# Altium PCB as_x31.PcbDoc (part 4 of 4)
Units mm, origin at the board's own origin, x right, y up, seen from the top; angles counter-clockwise.
Board outline 130 x 100 mm, 6 copper layers (Top Layer, Ground_1, int_1, int_2, Power, Bottom Layer), stack 1.49 mm thick; 411 components, 383 nets, 2547 pads, 1038 vias.
Unrouted connection lines stored in the file: 439.
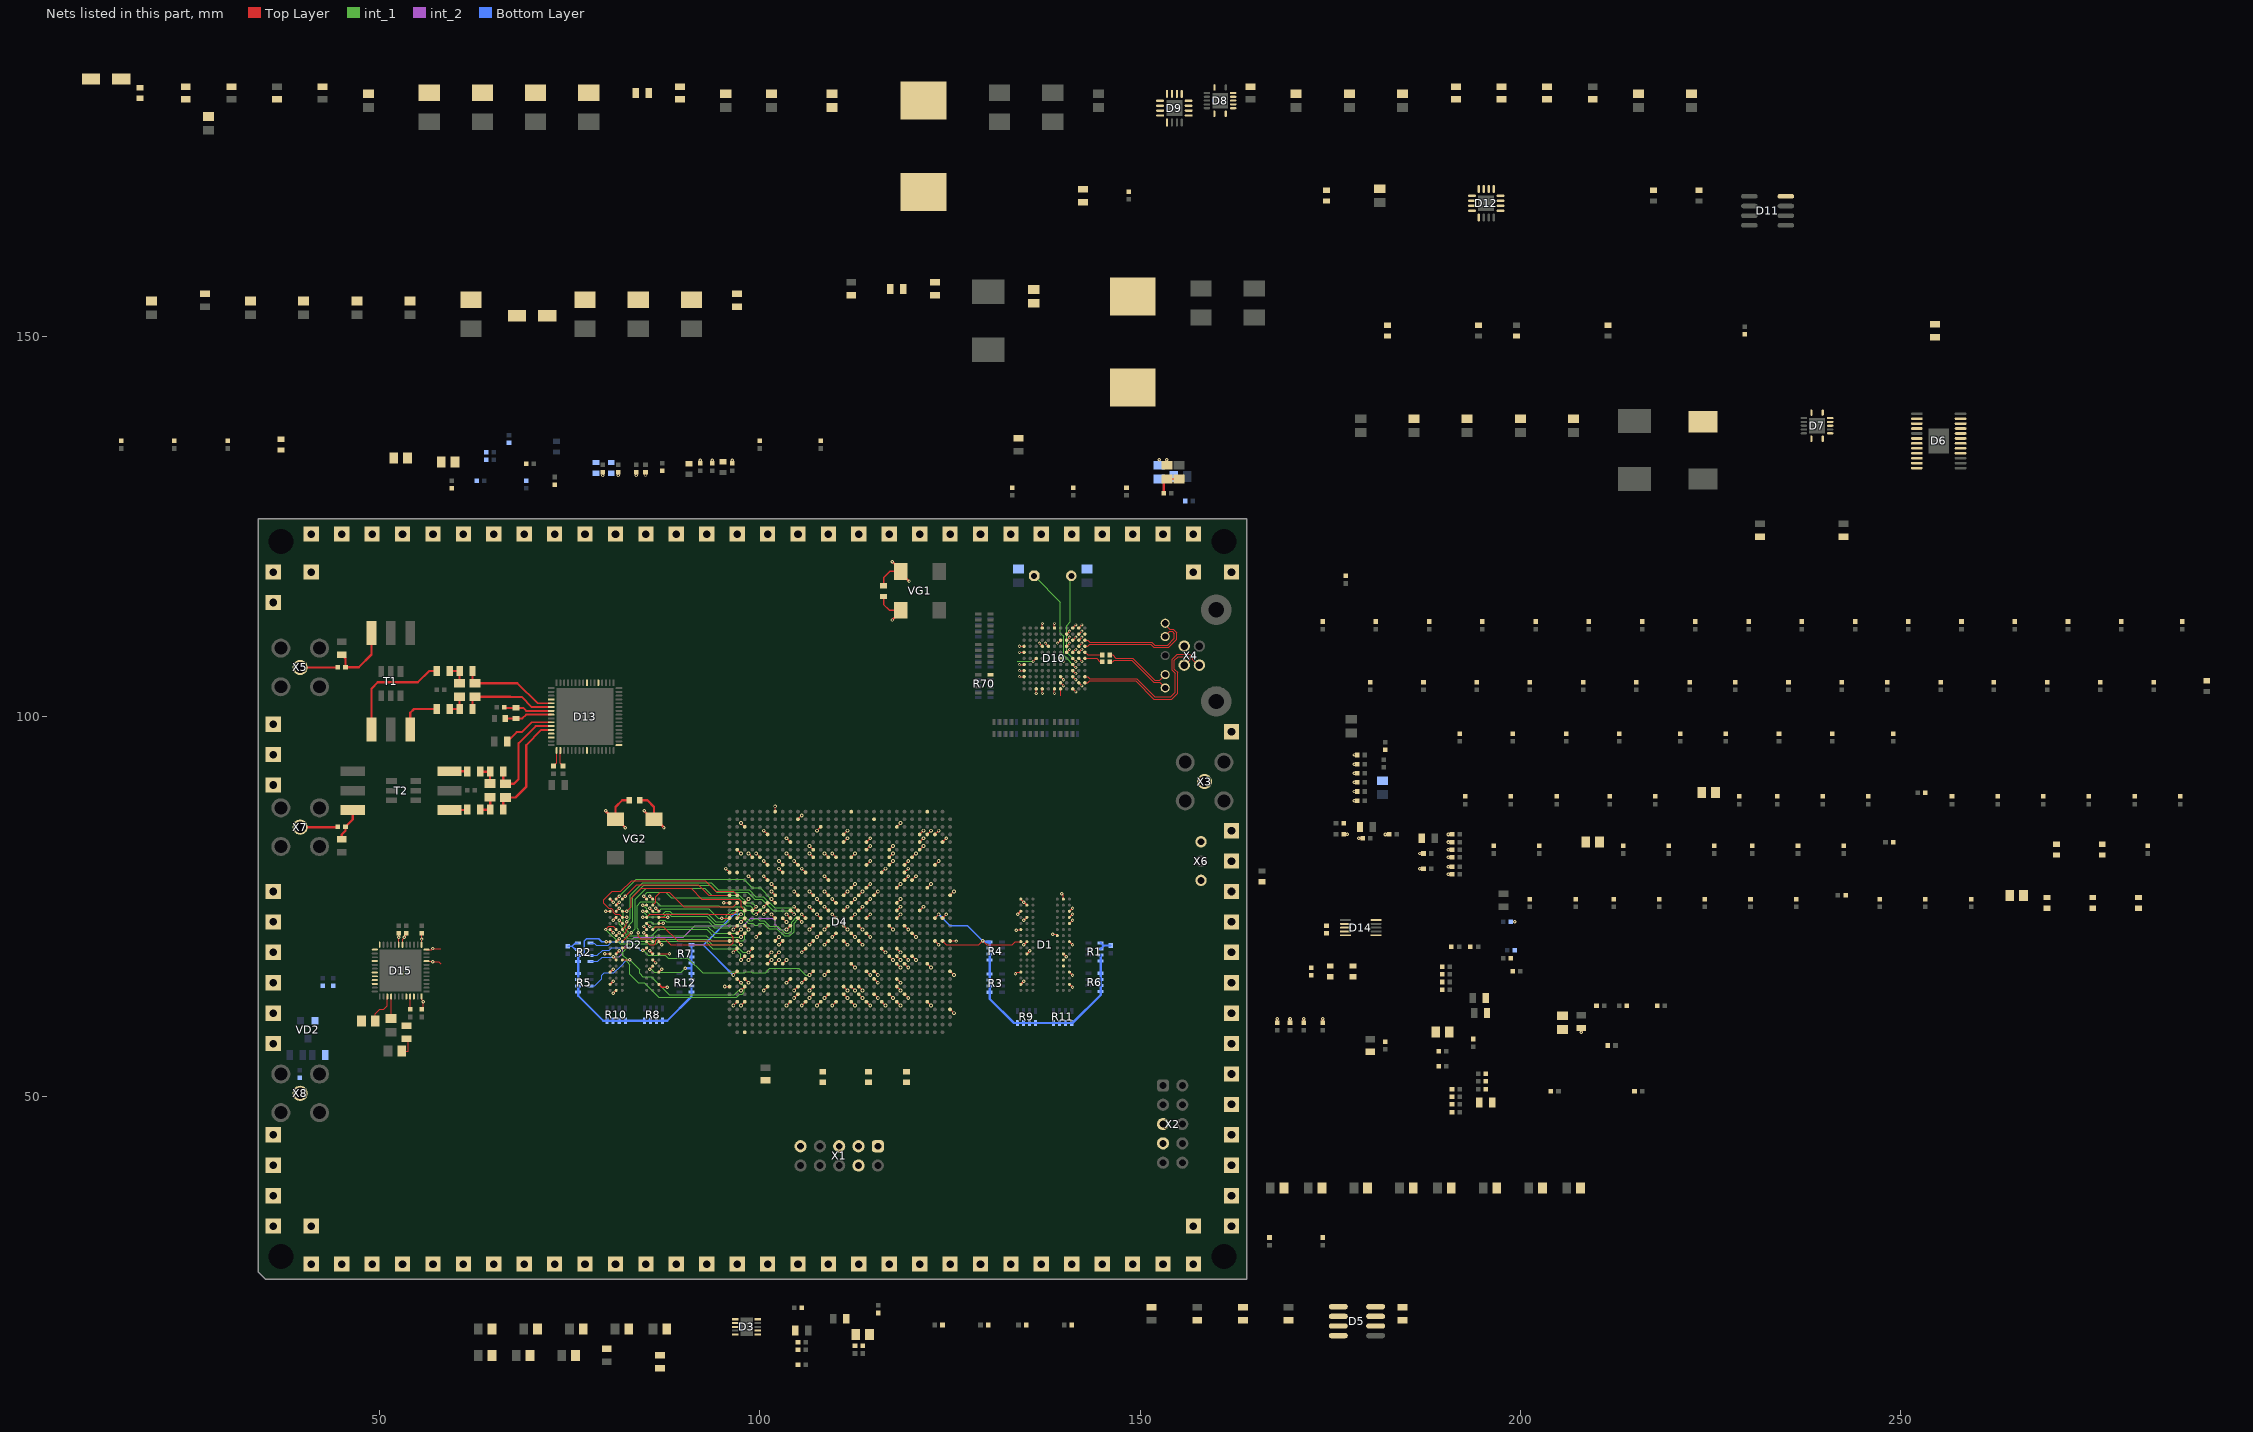
[diagram p8: the nets of this part, all layers, seen from the top]

## Via types
v1: diameter 0.5, hole 0.25, Top Layer to Bottom Layer, 535 vias
v2: diameter 0.45, hole 0.2, Top Layer to Bottom Layer, 284 vias
v3: diameter 0.5, hole 0.2, Top Layer to Bottom Layer, 137 vias
v4: diameter 0.4, hole 0.2, Top Layer to Bottom Layer, 78 vias
v5: diameter 0.6, hole 0.3, Top Layer to Bottom Layer, 4 vias

## Nets (pads, with @x,y where several pads share a name; then routed paths per layer and width w, separated by ;. In a path a pad name is that pad's centre, name@x,y a point inside that pad or via, vN(x,y) a via of type N, cw(c..) or ccw(c..) an arc to the next point about the centre after c; other vN are vias at no path point) (continued)
DDR1_CK_P: D2.J7 D4.M9 R2.5 | length 33
  Top Layer w0.125: v2(84.6,69.3) 84.8,69.3 D2.J7@85.1,69.6
  Top Layer w0.15: v1(106.5,66) D4.M9@107,66.5
  int_1 w0.13: v2(84.6,69.3) 84.667,69.3 85.337,68.63 87.537,68.63 87.937,68.23 90.52,68.23 92.45,66.3 96.178,66.3 96.318,66.44 96.682,66.44 96.822,66.3 97.984,66.3 98.014,66.33 98.022,66.322 98.14,66.44 98.86,66.44 98.97,66.33 100.741,66.33 101.311,66.9 105.1,66.9 106,66 v1(106.5,66)
  Bottom Layer w0.125: R2.5@77.7,70.2 78.2,70.2 78.5,69.9 80.025,69.9 80.49,70.365 83.222,70.365 84.287,69.3 v2(84.6,69.3)
DDR1_CKE: D2.K9 D4.A18 R16.2 | length 2.1
  Top Layer w0.125: D2.K9@86.7,68.8 87.7,68.8 v2(88.1,68.8) ; v2(95.25,75.5) D4.A18@96,75.5
DDR1_CS: D2.L2 D4.J15 R2.8 | length 30.7
  Top Layer w0.125: v2(80.7,68.4) D2.L2@81.1,68
  Top Layer w0.15: v1(103.5,72) D4.J15@104,72.5
  int_2 w0.15: v2(80.7,68.4) 81.5,68.4 81.975,68.875 81.975,69.475 83.5,71 89.9,71 91.4,72.5 97.8,72.5 98.8,73.5 101.636,73.5 102,73.136 102,72.6 102.6,72 v1(103.5,72)
  Bottom Layer w0.15: R2.8@77.7,67.8 78.7,67.8 79.275,68.375 80.675,68.375 v2(80.7,68.4)
DDR1_DM0: D2.E7 D4.B14 | length 13.9
  Top Layer w0.125: D2.E7@85.1,72.8 v2(85.5,72.4)
  Top Layer w0.15: D4.B14@97,71.5 v1(97.5,72)
  int_1 w0.125: v2(85.5,72.4) 85.513,72.387 88,72.387
  int_1 w0.15: 88,72.387 93.15,72.387 94.038,71.5 97,71.5 v1(97.5,72)
DDR1_DM1: D2.D3 D4.B19 | length 23.7
  Top Layer w0.125: v2(82.5,73.6) D2.D3@81.9,73.6 81.487,74.013 80.939,74.013 80.712,74.239 80.712,74.536 80.46,74.788 80.129,74.788 79.488,75.429 79.488,75.888 80.6,77 81.725,77 83.125,78.4 92.775,78.4 94.175,77 96.5,77 D4.B19@97,76.5
DDR1_DQ0: D2.E3 D4.C15 | length 21.5
  Top Layer w0.125: v2(81.5,73.2) D2.E3@81.9,72.8
  Top Layer w0.15: D4.C15@98,72.5 v1(98.5,72)
  int_1 w0.125: v2(81.5,73.2) 81.5,72.7 81.9,72.3 81.9,71.9 82.4,71.4 82.4,71.1 82.7,70.8 86,70.8 86.388,71.188 87.388,71.188 ; 97.25,70.5 97.75,70.5 98,70.75 98,71.5 v1(98.5,72)
  int_1 w0.15: 87.388,71.188 92.943,71.188 93.631,70.5 97.25,70.5
DDR1_DQ1: D2.F7 D4.C16 | length 15.3
  Top Layer w0.125: v2(84.7,72.4) D2.F7@85.1,72
  Top Layer w0.15: v1(97.5,73) D4.C16@98,73.5
  int_1 w0.125: v2(84.7,72.4) 85.3,73 85.7,73 85.913,72.787 86.471,72.787 86.896,73.213 87.471,73.213 87.683,73 93.25,73 94,72.25 95.95,72.25 96.2,72.5 97,72.5 v1(97.5,73)
DDR1_DQ2: D2.F2 D4.C11 | length 22.6
  Top Layer w0.125: v2(79.7,72) 80.1,72.4 80.7,72.4 D2.F2@81.1,72
  Top Layer w0.15: v1(97.5,68) D4.C11@98,68.5
  int_1 w0.125: v2(79.7,72) 81.6,70.1 86.4,70.1 86.737,70.437 92.863,70.437 93.8,69.5 96.75,69.5 97.5,68.75 v1(97.5,68)
DDR1_DQ3: D2.F8 D4.A13 | length 11
  Top Layer w0.125: D2.F8@85.9,72 86.288,72.388 87.312,72.388 89.2,70.5 D4.A13@96,70.5
DDR1_DQ4: D2.H3 D4.D17 | length 24.5
  Top Layer w0.125: D2.H3@81.9,70.4 v2(83.1,71.6)
  Top Layer w0.15: D4.D17@99,74.5 v1(99.5,75)
  int_1 w0.125: v2(83.1,71.6) 83.575,72.075 83.575,75.975 83.6,76
  int_1 w0.15: 83.6,76 85.025,77.425 92.75,77.425 93.675,76.5 97.3,76.5 98.3,75.5 99,75.5 v1(99.5,75)
DDR1_DQ5: D2.H8 D4.E17 | length 23.6
  Top Layer w0.125: v2(84,71.6) 84,71.1 84.313,70.787 85.513,70.787 D2.H8@85.9,70.4
  Top Layer w0.15: v1(99.5,74) D4.E17@100,74.5
  int_1 w0.125: 83.837,75.139 83.837,72.163 84,72 v2(84,71.6)
  int_1 w0.15: 83.837,75.139 84.324,75.625 86.375,75.625 86.9,75.1 94.6,75.1 94.7,75 97.864,75 98.314,74.55 98.725,74.55 98.95,74.325 98.95,74.175 99.125,74 v1(99.5,74)
DDR1_DQ6: D2.G2 D4.D12 | length 19.6
  Top Layer w0.125: D2.G2@81.1,71.2 v2(81.5,71.6)
  Top Layer w0.15: v1(98.5,69) D4.D12@99,69.5
  int_1 w0.125: v2(81.5,71.6) 82.675,70.425 86.125,70.425 86.4,70.7
  int_1 w0.15: 86.4,70.7 86.425,70.725 92.982,70.725 93.707,70 96.75,70 97.75,69 v1(98.5,69)
DDR1_DQ7: D2.H7 D4.A14 | length 14
  Top Layer w0.125: D2.H7@85.1,70.4 85.5,70 86.1,70 86.3,70.2 86.3,70.548 86.552,70.8 87.5,70.8 88.3,70 96.25,70 96.5,70.25 96.5,71 D4.A14@96,71.5
DDR1_DQ8: D2.D7 D4.B17 | length 12.8
  Top Layer w0.125: v2(84.6,73.6) D2.D7@85.1,73.6 85.5,74 87.717,74 87.729,74.013 88.071,74.013 88.083,74 96.5,74 D4.B17@97,74.5
DDR1_DQ9: D2.C3 D4.C17 | length 19.6
  Top Layer w0.125: D2.C3@81.9,74.4 v2(82.5,74.4) 83.1,75 83.1,76.1 84.4,77.4 90.95,77.4 92.35,76 97.225,76 97.525,75.7 97.525,74.975 D4.C17@98,74.5
DDR1_DQ10: D2.C8 D4.A16 | length 12
  Top Layer w0.125: v2(85.5,74.8) D2.C8@85.9,74.4 ; v2(95,73.5) D4.A16@96,73.5
  int_1 w0.15: v2(85.5,74.8) 86,74.3 86.6,74.3 87.025,74.725 93.275,74.725 94.5,73.5 v2(95,73.5)
DDR1_DQ11: D2.C2 D4.C14 | length 20.9
  Top Layer w0.125: D2.C2@81.1,74.4 v2(81.5,74.8)
  Top Layer w0.15: v1(97.5,71) D4.C14@98,71.5
  int_1 w0.125: v2(81.5,74.8) 82,74.3 82,72.8 82.3,72.5 82.3,72.1 82.687,71.713 82.687,71.313 82.813,71.188 85.788,71.188 86.613,72.013 87.7,72.013
  int_1 w0.15: 87.7,72.013 92.987,72.013 94,71 v1(97.5,71)
DDR1_DQ12: D2.A7 D4.F18 | length 18.5
  Top Layer w0.125: v2(84.7,76.4) D2.A7@85.1,76
  Top Layer w0.15: v1(100.5,75) D4.F18@101,75.5
  int_1 w0.125: v2(84.7,76.4) 85.2,76.9 87.6,76.9 88.325,76.175 97.15,76.175 98.225,75.1 98.7,75.1 99.275,74.525 100.025,74.525 v1(100.5,75)
DDR1_DQ13: D2.A2 D4.G18 | length 23.3
  Top Layer w0.125: D2.A2@81.1,76 v2(81.5,76.4)
  Top Layer w0.15: v1(101.5,76) D4.G18@102,75.5
  int_1 w0.15: v2(81.5,76.4) 83.725,78.625 97.85,78.625 99,77.475 100.025,77.475 v1(101.5,76)
DDR1_DQ14: D2.B8 D4.B18 | length 13.2
  Top Layer w0.125: D2.B8@85.9,75.2 86.3,75.6 86.3,76.3 86.9,76.9 88.1,76.9 90,75 96.5,75 D4.B18@97,75.5
DDR1_DQ15: D2.A3 D4.A19 | length 15.5
  Top Layer w0.125: D2.A3@81.9,76 v2(82.3,76.4) 83.8,77.9 91.875,77.9 93.275,76.5 D4.A19@96,76.5
DDR1_DQS0_N: D2.G3 D4.J17 | length 30
  Top Layer w0.125: D2.G3@81.9,71.2 82.4,71.7 82.4,71.9 v2(82.8,72.3) ; D4.J17@104,74.5 v1(104.5,74)
  int_1 w0.13: v2(82.8,72.3) 82.8,72.607 83.3,73.107 83.3,76.4 84.7,77.8 93.45,77.8 94.35,76.9 98.425,76.9 99.325,76 100.25,76 101.75,74.5 104.25,74.5 104.5,74.25 v1(104.5,74)
DDR1_DQS0_P: D2.F3 D4.K17 | length 29.3
  Top Layer w0.125: D2.F3@81.9,72 81.9,72.032 82.4,72.532 82.4,72.9 v2(82.5,73) ; v1(104.5,75) D4.K17@105,74.5
  int_1 w0.13: v2(82.5,73) 82.97,73.47 82.97,76.537 84.563,78.13 93.587,78.13 94.487,77.23 98.57,77.23 99.47,76.33 100.42,76.33 101.92,74.83 104.33,74.83 v1(104.5,75)
DDR1_DQS1_N: D2.B7 D4.L16 | length 27.8
  Top Layer w0.125: v2(84.6,75.2) D2.B7@85.1,75.2 ; v1(105.5,74) D4.L16@106,73.5
  int_1 w0.13: v2(84.6,75.2) 85.09,74.71 85.09,74.503 85.593,74 87.2,74 87.6,74.4 88.154,74.4 88.474,74.08 93.137,74.08 94.217,73 95.25,73 95.6,73.35 95.6,73.837 96.293,74.53 97.592,74.53 98,74.122 98,73.7 98.57,73.13 99.008,73.13 99.318,73.44 99.682,73.44 99.992,73.13 100.57,73.13 101.27,72.43 102.37,72.43 103.3,71.5 103.8,71.5 104.17,71.87 104.17,72.972 104.863,73.665 105.165,73.665 v1(105.5,74)
DDR1_DQS1_P: D2.C7 D4.K16 | length 27.4
  Top Layer w0.125: v2(84.6,74.4) D2.C7@85.1,74.4 ; D4.K16@105,73.5 v1(105.5,73)
  int_1 w0.13: v2(84.6,74.4) 85.33,73.67 87.337,73.67 87.737,74.07 88.017,74.07 88.337,73.75 93,73.75 94.08,72.67 95.5,72.67 95.93,73.1 95.93,73.7 96.43,74.2 96.86,74.2 97.06,74 97.06,73.818 97.318,73.56 97.673,73.56 98.433,72.8 99.078,72.8 99.318,72.56 99.682,72.56 99.922,72.8 100.433,72.8 101.133,72.1 102.233,72.1 103.163,71.17 103.937,71.17 104.5,71.733 104.5,72.835 105,73.335 105.165,73.335 v1(105.5,73)
DDR1_ODT: D2.K1 D4.B13 | length 1.4
  Top Layer w0.125: v2(79.6,68.8) D2.K1@80.3,68.8
  Top Layer w0.15: D4.B13@97,70.5 v1(97.5,70)
DDR1_RAS: D2.J3 D4.B8 R2.7 | length 29.8
  Top Layer w0.125: D2.J3@81.9,69.6 v2(82.9,69.6)
  Top Layer w0.15: D4.B8@97,65.5 v1(97.5,65)
  int_1 w0.15: v2(82.9,69.6) 82.574,69.6 81.975,69.001 81.975,68.624 82.475,68.124 82.475,67.824 82.9,67.399 82.9,66.1 84,65 84.8,65 86.7,63.1 96.964,63.1 97.369,63.506 97.642,63.506 97.95,63.814 97.95,64.55 v1(97.5,65)
  Bottom Layer w0.15: R2.7@77.7,68.6 78.6,68.6 79.3,69.3 80.199,69.3 80.524,69.625 82.875,69.625 v2(82.9,69.6)
DDR1_RESET_N: D2.T2 D4.B22 R18.2 | length 0.6
  Top Layer w0.125: v2(80.7,63.6) D2.T2@81.1,64
DDR1_WE: D2.L3 D4.C7 R5.7 | length 25.7
  Top Layer w0.125: D2.L3@81.9,68 v2(82.9,68)
  Top Layer w0.15: v1(97.5,64) D4.C7@98,64.5
  int_1 w0.15: v2(82.9,68) 84.175,66.725 84.175,66.224 84.599,65.8 85.7,65.8 88.1,63.4 96.6,63.4 97.2,64 v1(97.5,64)
  Bottom Layer w0.125: R5.7@77.7,64.6 78.3,64.6 79.2,65.5 79.2,66 79.5,66.3 80.797,66.3 81.672,67.175 81.676,67.175 82.501,68 v2(82.9,68)
FPGA_CONF_DONE: D4.L8 D10.D3 R31.2 | length 1.3
  Top Layer w0.125: D10.D3@140.329,110.046 v4(140.729,110.446)
  Top Layer w0.15: v1(105.5,65) D4.L8@106,65.5
FPGA_DATA0: D4.AG5 D10.D5 | length 1.3
  Top Layer w0.125: D10.D5@140.329,108.446 v4(140.729,108.846)
  Top Layer w0.15: D4.AG5@122,62.5 v1(122.5,62)
FPGA_DCLK: D4.T7 D10.D4 R32.2 | length 1.3
  Top Layer w0.125: D10.D4@140.329,109.246 v4(140.729,109.646)
  Top Layer w0.15: D4.T7@111,64.5 v1(111.5,64)
FPGA_NCONFIG: D4.C5 D10.C1 R30.2 | length 1.3
  Top Layer w0.125: D10.C1@141.129,111.646 v4(141.529,112.046)
  Top Layer w0.15: v1(97.5,62) D4.C5@98,62.5
FPGA_NSTATUS: D4.K7 D10.D2 | length 1.3
  Top Layer w0.125: D10.D2@140.329,110.846 v4(140.729,111.246)
  Top Layer w0.15: v1(104.5,64) D4.K7@105,64.5
NetC1_2: C1.2 R1.1 R1.2 | length 2
  Bottom Layer w0.3: R1.2@144.8,69.45 145.15,69.8 145.15,69.9 ; R1.1@144.8,70.25 145.15,69.9 ; C1.2@146.1,69.9 145.15,69.9
NetC2_2: C2.2 R2.3 R2.4 | length 2.5
  Bottom Layer w0.2: C2.2@74.7,69.8 75.3,69.8 ; R2.3@76.1,69.4 75.7,69.4 75.3,69.8 ; R2.4@76.1,70.2 75.7,70.2 75.3,69.8
NetC43_2: C43.2 D3.6
NetC60_2: C60.2 D3.1 R19.1 R20.2
NetC70_2: C70.2 C71.2 C72.2 C73.2 C74.2 D4.AB6 D4.AB23 D4.J8 D4.J24 D4.K6 D4.P6 D4.V6 D4.Y8 L3.1 | length 5.7
  Top Layer w0.15: v1(103.5,65) D4.J8@104,65.5 ; v1(103.5,82) D4.J24@104,81.5 ; v1(104.5,63) D4.K6@105,63.5 ; v1(108.5,63) D4.P6@109,63.5 ; D4.V6@113,63.5 v1(113.5,63) ; D4.Y8@115,65.5 v1(115.5,65) ; D4.AB6@117,63.5 v1(117.5,63) ; D4.AB23@117,80.5 v1(117.5,81)
NetC151_1: C151.1 D7.13
NetC151_2: C151.2 D7.11 D7.12 L7.1
NetC157_2: C157.2 R43.1
NetC158_2: C158.2 D6.22 R43.2
NetC161_2: C161.2 D7.9
NetC164_2: C164.2 R48.1
NetC165_2: C165.2 D6.3 R48.2
NetC166_2: C166.2 R46.2
NetC170_1: C170.1 D8.13
NetC170_2: C170.2 D8.11 D8.12 L9.1
NetC177_2: C177.2 D8.9
NetC178_2: C178.2 R55.2
NetC179_1: C179.1 D10.E11 R57.1 | length 0.9
  Top Layer w0.125: 139.529,102.746 D10.E11@139.529,103.646
NetC180_2: C180.2 D10.A5 | length 2.4
  Top Layer w0.125: D10.A5@142.729,108.446 143.075,108.1 C180.2@145,108.1
NetC181_2: C181.2 D10.A6 | length 2.5
  Top Layer w0.125: D10.A6@142.729,107.646 144.254,107.646 144.7,107.2 C181.2@145,107.2
NetC182_2: C182.2 D10.C7 ZQ1.1 | length 14.9
  Top Layer w0.125: D10.C7@141.129,106.846 v4(141.529,106.446)
  int_1 w0.125: 139.5,113.5 139.5,110.975 139.929,110.546 139.929,108.046 v4(141.529,106.446)
  int_1 w0.15: ZQ1.1@136.06,118.5 139.5,115.06 139.5,113.5
NetC183_2: C183.2 D10.C6 ZQ1.2 | length 12.6
  Top Layer w0.125: D10.C6@141.129,107.646 v4(141.529,107.246)
  int_1 w0.125: 140.829,112.446 140.329,111.946 140.329,108.446 v4(141.529,107.246)
  int_1 w0.15: 140.829,112.446 140.829,118.389 ZQ1.2@140.94,118.5
NetC187_2: C187.2 D10.C5 R81.1 | length 0.6
  Top Layer w0.125: D10.C5@141.129,108.446 v4(141.529,108.846)
NetC215_1: C215.1 X5.1 | length 5
  Top Layer w0.3: X5.1@39.54,106.46 44.46,106.46 C215.1@44.5,106.5
NetC215_2: C215.2 R87.2 T1.4 | length 8.8
  Top Layer w0.3: R87.2@45,108.15 45.5,107.65 C215.2@45.5,106.5 47.25,106.5 48.92,108.17 T1.4@48.92,111
NetC216_1: C216.1 R89.1 R90.2 | length 2.9
  Top Layer w0.3: R89.1@59.2,101 R90.2@60.5,101 C216.1@60.5,102.6
NetC216_2: C216.2 R85.1 R86.2 | length 2.9
  Top Layer w0.3: R85.1@59.2,106 R86.2@60.5,106 C216.2@60.5,104.4
NetC217_1: C217.1 D13.38 R90.1 | length 12.3
  Top Layer w0.25: 67.15,102.6 68.65,102.6 70,101.25 D13.38@72.55,101.25
  Top Layer w0.3: R90.1@62.2,101 62.2,102.3 C217.1@62.5,102.6 67.15,102.6
NetC217_2: C217.2 D13.37 R86.1 | length 12.9
  Top Layer w0.25: 68.1,104.4 70.75,101.75 D13.37@72.55,101.75
  Top Layer w0.3: R86.1@62.2,106 62.2,104.7 C217.2@62.5,104.4 68.1,104.4
NetC219_1: C219.1 C223.1 D14.10 R92.2
NetC219_2: C219.2 D14.3 D14.4 R91.1 R92.1
NetC222_2: C222.2 D13.49 | length 2.2
  Top Layer w0.15: C222.2@72.85,93.5 73.25,93.9 D13.49@73.25,95.55
NetC224_2: C224.2 D13.50 | length 2.2
  Top Layer w0.15: D13.50@73.75,95.55 73.75,93.85 C224.2@74.1,93.5
NetC225_1: C225.1 X7.1 | length 4.9
  Top Layer w0.3: X7.1@39.54,85.46 C225.1@44.46,85.46
NetC225_2: C225.2 R98.2 T2.4 | length 4.5
  Top Layer w0.3: R98.2@45,83.85 45,84.5 45.5,85 C225.2@45.5,85.5 46.46,86.46 T2.4@46.46,87.72
NetC226_1: C226.1 R100.1 R101.2 | length 2.9
  Top Layer w0.3: R100.1@63.24,92.76 R101.2@64.54,92.76 64.5,92.72 C226.1@64.5,91.2
NetC226_2: C226.2 R96.1 R97.2 | length 3
  Top Layer w0.3: R96.1@63.24,87.76 R97.2@64.54,87.76 64.54,89.36 C226.2@64.5,89.4
NetC227_1: C227.1 D13.43 R101.1 | length 13.7
  Top Layer w0.25: 68.25,96.5 70.5,98.75 D13.43@72.55,98.75
  Top Layer w0.3: R101.1@66.24,92.76 66.24,91.46 C227.1@66.54,91.16 67.66,91.16 68.25,91.75 68.25,96.5
NetC227_2: C227.2 D13.44 R97.1 | length 14.6
  Top Layer w0.25: 69.25,96.25 71.25,98.25 D13.44@72.55,98.25
  Top Layer w0.3: R97.1@66.24,87.76 66.24,89.06 C227.2@66.54,89.36 67.86,89.36 69.25,90.75 69.25,96.25
NetC236_2: C236.2 D15.12 | length 1.9
  Top Layer w0.15: C236.2@55.5,61.5 55.75,61.75 v2(55.75,62.5) 55.5,62.75 D15.12@55.5,63.2
NetC237_2: C237.2 C238.2 C239.2 C240.2 C241.2 D15.10 D15.21 D15.24 D15.25 D15.30 D15.31 D15.36 D15.37 D15.40 D15.43 D15.45 L15.1 L16.2 | length 8.6
  Top Layer w0.15: D15.31@52.5,70 52.5,70.75 v2(52.5,71) C237.2@52.5,71.5 ; D15.30@53,70 53,70.75 v2(53.25,71) 53.5,71.25 C241.2@53.5,71.5 ; D15.25@55.5,70 v2(55.5,70.75) C238.2@55.5,71.5 ; D15.21@56.15,67.85 56.9,67.85 v2(57,67.75) 57.75,67.75 58,67.5 ; D15.24@56.15,69.35 56.85,69.35 v2(57,69.5) 58,69.5
NetC242_1: C242.1 X8.1
NetC243_2: C243.2 C244.2 D15.3 L16.1 | length 4.2
  Top Layer w0.15: L16.1@49.4,60 49.4,60.9 50,61.5 50.5,61.5 51,62 D15.3@51,63.2
NetC245_2: C245.2 D15.9 | length 1.7
  Top Layer w0.15: C245.2@54,61.5 D15.9@54,63.2
NetC246_2: C246.2 R107.2 | length 2.6
  Top Layer w0.15: C246.2@52.9,56 53.75,56 53.75,57.4 R107.2@53.5,57.65
NetC247_2: C247.2 D15.4 D15.8 R107.1 | length 2.9
  Top Layer w0.15: C247.2@51.5,60.3 D15.4@51.5,63.2
NetD1_L8: D1.L8 R13.1
NetD2_L8: D2.L8 R14.1 | length 0.6
  Top Layer w0.125: D2.L8@85.9,68 v2(86.3,67.6)
NetD4_AD23: D4.AD23 R22.1 | length 0.7
  Top Layer w0.15: D4.AD23@119,80.5 v1(119.5,81)
NetD4_AK13: D4.AK13 R24.1 | length 0.8
  Top Layer w0.125: D4.AK13@125,70.5 v2@125.8,70.5
  other v2: 125.8,70.487
NetD4_B12: D4.B12 R23.1 | length 0.7
  Top Layer w0.15: v1(96.5,69) D4.B12@97,69.5
NetD4_C1: D4.C1 R39.1
NetD4_M7: D4.M7 R29.1 | length 0.7
  Top Layer w0.15: v1(106.5,64) D4.M7@107,64.5
NetD4_P9: D4.P9 R28.1 | length 0.7
  Top Layer w0.15: v1(108.5,66) D4.P9@109,66.5
NetD5_6: D5.6 R36.1 R37.1 R38.2
NetD5_7: D5.7 R34.1 R35.1 R36.2
NetD6_2: D6.2 R47.1 R49.2
NetD6_8: D6.8 D6.9 L8.1
NetD6_16: D6.16 D6.17 L6.1
NetD6_23: D6.23 R40.1 R42.1
NetD7_1: D7.1 R45.1
NetD7_7: D7.7 R41.1 R44.2
NetD7_8: D7.8 R46.1
NetD8_1: D8.1 R53.1
NetD8_7: D8.7 R50.1 R52.2
NetD8_8: D8.8 R55.1
NetD9_5: D9.5 R56.1
NetD9_9: D9.9 R51.1 R54.2
NetD10_B2: D10.B2 R59.2 | length 0.6
  Top Layer w0.125: D10.B2@141.929,110.846 v4(142.329,111.246)
NetD10_B3: D10.B3 R68.1 | length 0.6
  Top Layer w0.125: D10.B3@141.929,110.046 v4(142.329,110.446)
NetD10_B4: D10.B4 R61.2 | length 0.6
  Top Layer w0.125: D10.B4@141.929,109.246 v4(142.329,109.646)
NetD10_C8: D10.C8 R109.1 | length 0.6
  Top Layer w0.125: D10.C8@141.129,106.046 v4(141.529,105.646)
NetD10_C9: D10.C9 R60.1 | length 0.6
  Top Layer w0.125: D10.C9@141.129,105.246 v4(141.529,104.846)
NetD10_E6: D10.E6 R62.2 | length 0.6
  Top Layer w0.125: D10.E6@139.529,107.646 v4(139.929,107.246)
NetD10_G4: D10.G4 R77.1 | length 0.6
  Top Layer w0.125: v4(137.529,109.646) D10.G4@137.929,109.246
NetD10_H4: D10.H4 R78.1 | length 0.6
  Top Layer w0.125: v4(136.729,109.646) D10.H4@137.129,109.246
NetD10_L4: D10.L4 R79.1 | length 0.6
  Top Layer w0.15: v4(134.129,109.246) D10.L4@134.729,109.246
NetD10_L8: D10.L8 R80.1 | length 0.6
  Top Layer w0.15: v4(134.129,106.046) D10.L8@134.729,106.046
NetD12_5: D12.5 R84.1
NetD12_9: D12.9 R82.1 R83.2
NetD13_40: D13.40 R88.2 R93.1 | length 6.3
  Top Layer w0.25: R88.2@66.5,99.75 R93.1@67.9,99.75 68.75,99.75 69.25,100.25 D13.40@72.55,100.25
NetD13_42: D13.42 R95.1 | length 6.9
  Top Layer w0.25: R95.1@66.75,96.7 68,97.95 68.7,97.95 70,99.25 D13.42@72.55,99.25
NetD14_5: D14.5 X6.1
NetD14_6: D14.6 X6.3
NetD15_44: D15.44 R105.1
NetD15_46: D15.46 R106.1
NetR57_2: R57.2 X4.1
NetR85_2: R85.2 T1.3 | length 14.9
  Top Layer w0.3: T1.3@48.92,98.3 48.92,103.67 49.75,104.5 55,104.5 56.5,106 R85.2@57.5,106
NetR89_2: R89.2 T1.1 | length 5.9
  Top Layer w0.3: T1.1@54,98.3 54,100.5 54.5,101 R89.2@57.5,101
NetR96_2: R96.2 T2.3 | length 2.4
  Top Layer w0.3: T2.3@59.16,87.72 61.5,87.72 R96.2@61.54,87.76
NetR100_2: R100.2 T2.1 | length 2.4
  Top Layer w0.3: T2.1@59.16,92.8 61.5,92.8 R100.2@61.54,92.76
NetR102_2: R102.2 VG2.1 | length 7.3
  Top Layer w0.3: v2(79.7,87.6) 80.8,86.5 VG2.1@81,86.5 ; v2(82.3,85.4) 81.2,86.5 VG2.1@81,86.5 ; R102.2@82.8,89 81.9,89 81,88.1 VG2.1@81,86.5
NetR108_2: R108.2 VG1.1 | length 5.4
  Top Layer w0.2: R108.2@116.25,115.8 116.25,114.75 117,114 VG1.1@118.5,114
  Top Layer w0.3: v2(117.4,112.7) 118.5,113.8 VG1.1@118.5,114